# KiCad board APA102_Matrix.kicad_pcb (continued)
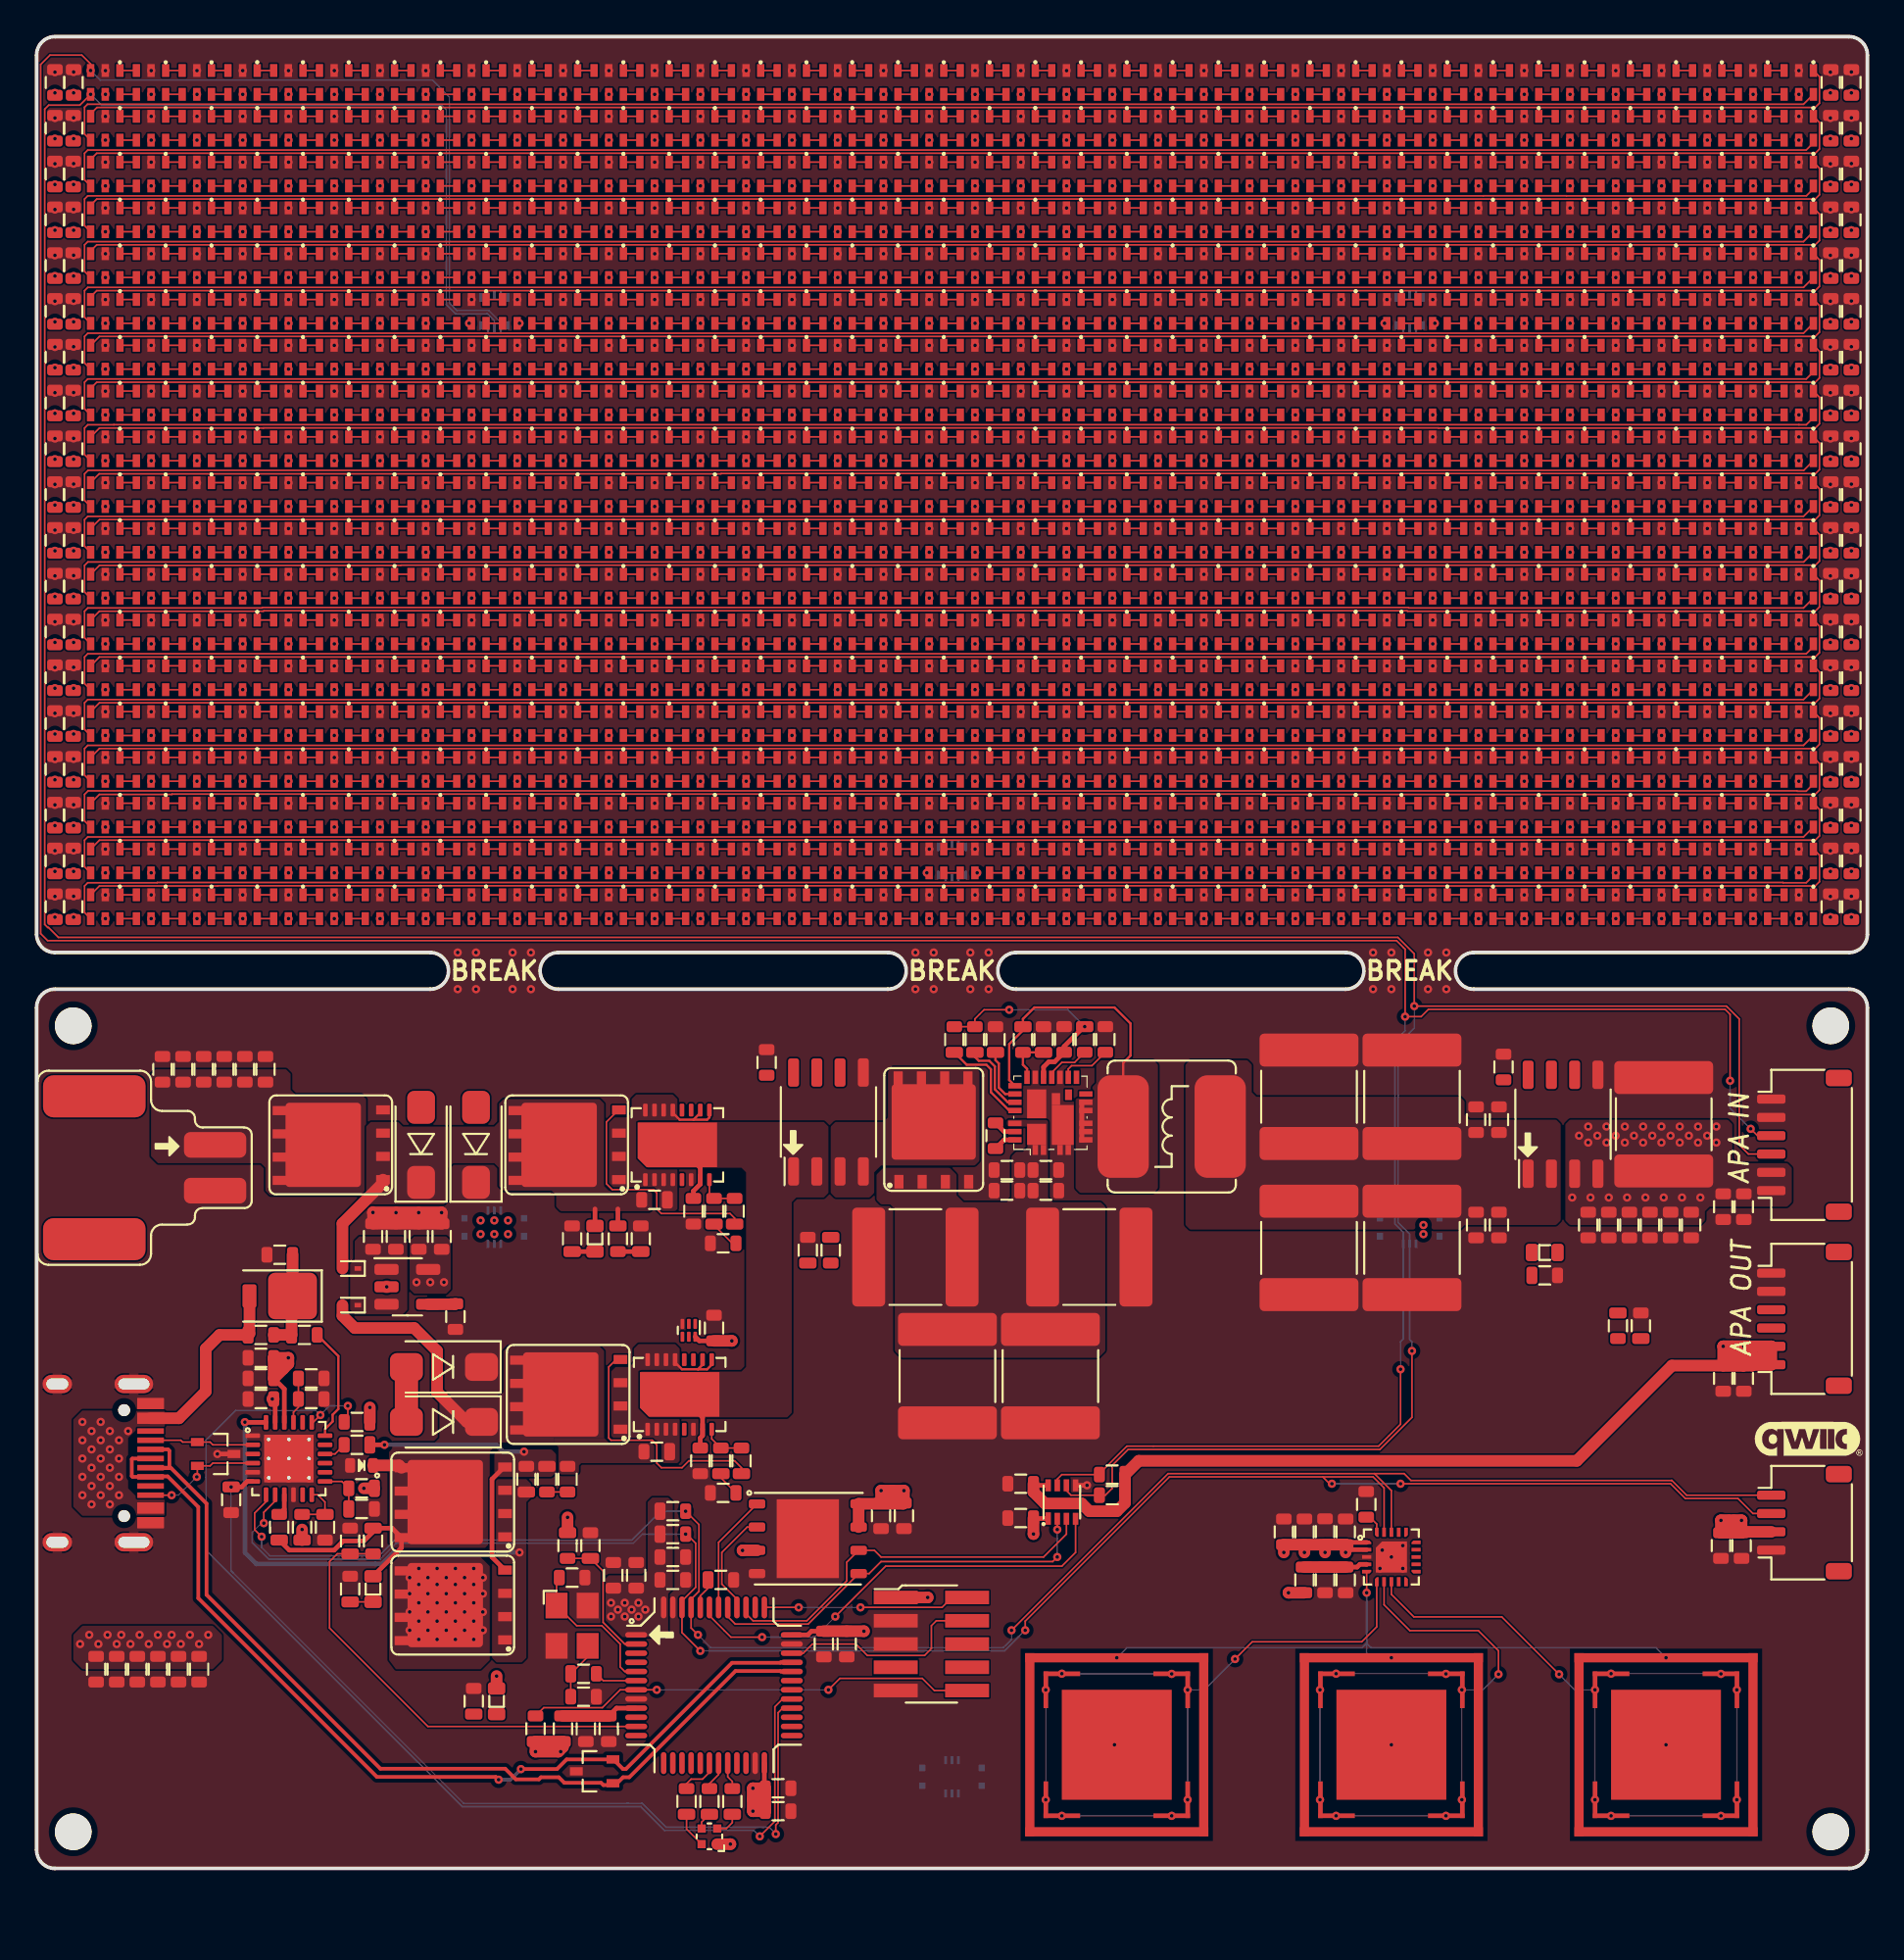
[diagram p0: board, top side]
## Routing (per net, layer and track width the routed paths; a pad name or vN(x,y) marks a point on that pad's centre or on a via; arc(x,y) is an arc through that point) (continued)
Net-(D691-Pad1): length 0.9
  F_PWR_SIGNAL.Cu w0.089: D691.1 D692.3
Net-(D691-Pad6): length 0.9
  F_PWR_SIGNAL.Cu w0.089: D691.6 D692.4
Net-(D692-Pad1): length 0.9
  F_PWR_SIGNAL.Cu w0.089: D692.1 D693.3
Net-(D692-Pad6): length 0.9
  F_PWR_SIGNAL.Cu w0.089: D692.6 D693.4
Net-(D693-Pad1): length 0.9
  F_PWR_SIGNAL.Cu w0.089: D693.1 D694.3
Net-(D693-Pad6): length 0.9
  F_PWR_SIGNAL.Cu w0.089: D693.6 D694.4
Net-(D694-Pad1): length 0.9
  F_PWR_SIGNAL.Cu w0.089: D694.1 D695.3
Net-(D694-Pad6): length 0.9
  F_PWR_SIGNAL.Cu w0.089: D694.6 D695.4
Net-(D695-Pad1): length 0.9
  F_PWR_SIGNAL.Cu w0.089: D695.1 D696.3
Net-(D695-Pad6): length 0.9
  F_PWR_SIGNAL.Cu w0.089: D695.6 D696.4
Net-(D696-Pad1): length 0.9
  F_PWR_SIGNAL.Cu w0.089: D696.1 D697.3
Net-(D696-Pad6): length 0.9
  F_PWR_SIGNAL.Cu w0.089: D696.6 D697.4
Net-(D697-Pad1): length 0.9
  F_PWR_SIGNAL.Cu w0.089: D697.1 D698.3
Net-(D697-Pad6): length 0.9
  F_PWR_SIGNAL.Cu w0.089: D697.6 D698.4
Net-(D698-Pad1): length 0.9
  F_PWR_SIGNAL.Cu w0.089: D698.1 D699.3
Net-(D698-Pad6): length 0.9
  F_PWR_SIGNAL.Cu w0.089: D698.6 D699.4
Net-(D699-Pad1): length 0.9
  F_PWR_SIGNAL.Cu w0.089: D699.1 D700.3
Net-(D699-Pad6): length 0.9
  F_PWR_SIGNAL.Cu w0.089: D699.6 D700.4
Net-(D700-Pad1): length 0.9
  F_PWR_SIGNAL.Cu w0.089: D700.1 D701.3
Net-(D700-Pad6): length 0.9
  F_PWR_SIGNAL.Cu w0.089: D700.6 D701.4
Net-(D701-Pad1): length 0.9
  F_PWR_SIGNAL.Cu w0.089: D701.1 D702.3
Net-(D701-Pad6): length 0.9
  F_PWR_SIGNAL.Cu w0.089: D701.6 D702.4
Net-(D702-Pad1): length 0.9
  F_PWR_SIGNAL.Cu w0.089: D702.1 D703.3
Net-(D702-Pad6): length 0.9
  F_PWR_SIGNAL.Cu w0.089: D702.6 D703.4
Net-(D703-Pad1): length 0.9
  F_PWR_SIGNAL.Cu w0.089: D703.1 D704.3
Net-(D703-Pad6): length 0.9
  F_PWR_SIGNAL.Cu w0.089: D703.6 D704.4
Net-(D704-Pad1): length 0.9
  F_PWR_SIGNAL.Cu w0.089: D704.1 D705.3
Net-(D704-Pad6): length 0.9
  F_PWR_SIGNAL.Cu w0.089: D704.6 D705.4
Net-(D705-Pad1): length 0.9
  F_PWR_SIGNAL.Cu w0.089: D705.1 D706.3
Net-(D705-Pad6): length 0.9
  F_PWR_SIGNAL.Cu w0.089: D705.6 D706.4
Net-(D706-Pad1): length 0.9
  F_PWR_SIGNAL.Cu w0.089: D706.1 D707.3
Net-(D706-Pad6): length 0.9
  F_PWR_SIGNAL.Cu w0.089: D706.6 D707.4
Net-(D707-Pad1): length 0.9
  F_PWR_SIGNAL.Cu w0.089: D707.1 D708.3
Net-(D707-Pad6): length 0.9
  F_PWR_SIGNAL.Cu w0.089: D707.6 D708.4
Net-(D708-Pad1): length 0.9
  F_PWR_SIGNAL.Cu w0.089: D708.1 D709.3
Net-(D708-Pad6): length 0.9
  F_PWR_SIGNAL.Cu w0.089: D708.6 D709.4
Net-(D709-Pad1): length 0.9
  F_PWR_SIGNAL.Cu w0.089: D709.1 D710.3
Net-(D709-Pad6): length 0.9
  F_PWR_SIGNAL.Cu w0.089: D709.6 D710.4
Net-(D710-Pad1): length 0.9
  F_PWR_SIGNAL.Cu w0.089: D710.1 D711.3
Net-(D710-Pad6): length 0.9
  F_PWR_SIGNAL.Cu w0.089: D710.6 D711.4
Net-(D711-Pad1): length 0.9
  F_PWR_SIGNAL.Cu w0.089: D711.1 D712.3
Net-(D711-Pad6): length 0.9
  F_PWR_SIGNAL.Cu w0.089: D711.6 D712.4
Net-(D712-Pad1): length 0.9
  F_PWR_SIGNAL.Cu w0.089: D712.1 D713.3
Net-(D712-Pad6): length 0.9
  F_PWR_SIGNAL.Cu w0.089: D712.6 D713.4
Net-(D713-Pad1): length 0.9
  F_PWR_SIGNAL.Cu w0.089: D713.1 D714.3
Net-(D713-Pad6): length 0.9
  F_PWR_SIGNAL.Cu w0.089: D713.6 D714.4
Net-(D714-Pad1): length 0.9
  F_PWR_SIGNAL.Cu w0.089: D714.1 D715.3
Net-(D714-Pad6): length 0.9
  F_PWR_SIGNAL.Cu w0.089: D714.6 D715.4
Net-(D715-Pad1): length 0.9
  F_PWR_SIGNAL.Cu w0.089: D715.1 D716.3
Net-(D715-Pad6): length 0.9
  F_PWR_SIGNAL.Cu w0.089: D715.6 D716.4
Net-(D716-Pad1): length 0.9
  F_PWR_SIGNAL.Cu w0.089: D716.1 D717.3
Net-(D716-Pad6): length 0.9
  F_PWR_SIGNAL.Cu w0.089: D716.6 D717.4
Net-(D717-Pad1): length 0.9
  F_PWR_SIGNAL.Cu w0.089: D717.1 D718.3
Net-(D717-Pad6): length 0.9
  F_PWR_SIGNAL.Cu w0.089: D717.6 D718.4
Net-(D718-Pad1): length 0.9
  F_PWR_SIGNAL.Cu w0.089: D718.1 D719.3
Net-(D718-Pad6): length 0.9
  F_PWR_SIGNAL.Cu w0.089: D718.6 D719.4
Net-(D719-Pad1): length 0.9
  F_PWR_SIGNAL.Cu w0.089: D719.1 D720.3
Net-(D719-Pad6): length 0.9
  F_PWR_SIGNAL.Cu w0.089: D719.6 D720.4
Net-(D720-Pad1): length 0.9
  F_PWR_SIGNAL.Cu w0.089: D720.1 D721.3
Net-(D720-Pad6): length 0.9
  F_PWR_SIGNAL.Cu w0.089: D720.6 D721.4
Net-(D721-Pad1): length 0.9
  F_PWR_SIGNAL.Cu w0.089: D721.1 D722.3
Net-(D721-Pad6): length 0.9
  F_PWR_SIGNAL.Cu w0.089: D721.6 D722.4
Net-(D723-Pad1): length 1.2
  F_PWR_SIGNAL.Cu w0.254: D723.1 R7.1
Net-(D728-Pad1): length 1.2
  F_PWR_SIGNAL.Cu w0.089: R15.1 D728.1
Net-(D729-Pad2): length 2
  F_PWR_SIGNAL.Cu w0.089: R16.1 35.5,2.15 D729.2
Net-(D729-Pad3): length 1
  F_PWR_SIGNAL.Cu w0.089: D729.3 36.33,2.53 R17.1
Net-(D729-Pad4): length 1.4
  F_PWR_SIGNAL.Cu w0.089: R18.1 38,2.5 37.67,2.17 D729.4
Net-(D734-Pad2): length 3
  F_PWR_SIGNAL.Cu w1.27: D734.2 D735.2
Net-(Q3-Pad4): length 14.8
  F_PWR_SIGNAL.Cu w0.254: v1(19,23.12) R37.1 ; Q4.4 25.53,21.91 24.88,21.25 24.88,17 Q3.4
  B_GND_SIGNAL.Cu w0.254: v1(19,23.12) 25.12,23.12 25.5,22.75 v1(26.62,22.75)
Net-(Q5-Pad1): length 3.3
  F_PWR_SIGNAL.Cu w0.127: 36.12,27.25 36.38,27.5 U11.10 ; 36.12,27.25 35.25,27.25 34.88,27.62 U11.13 ; 36.12,27.25 36.13,27.25 36.62,27.25 36.88,27.5 U11.9
Net-(Q5-Pad4): length 13.8
  F_PWR_SIGNAL.Cu w0.089: Q5.4 31.66,27.78 31.25,27.38 31.25,23.5 31.38,23.38 33.62,23.38 33.88,23.12 33.88,22.12 34.12,21.88 35.25,21.88 35.62,22.25 38.12,22.25 38.5,21.88 R45.1
Net-(Q6-Pad1): length 3.4
  F_PWR_SIGNAL.Cu w0.127: 35.88,40.88 35.12,40.88 34.75,41.25 U12.13 ; 35.88,40.88 36.62,40.88 36.75,41 U12.9 ; 35.88,40.88 36.25,41.25 U12.10
Net-(Q6-Pad4): length 12.9
  F_PWR_SIGNAL.Cu w0.089: R47.1 38.12,35.5 37.88,35.75 34.12,35.75 33.88,36 33.88,36.88 33.69,37.06 31.44,37.06 31.12,37.38 31.12,40.75 31.78,41.41 Q6.4
Net-(R16-Pad2): length 2.3
  F_PWR_SIGNAL.Cu w0.089: U7.18 36.75,5.25 36.38,4.88 35.75,4.88 35.5,4.62 R16.2
Net-(R17-Pad2): length 1.6
  F_PWR_SIGNAL.Cu w0.089: R17.2 36.75,4.62 37.25,5.13 U7.19
Net-(R18-Pad2): length 1.5
  F_PWR_SIGNAL.Cu w0.089: R18.2 38,4.75 37.75,5 U7.20
Net-(R24-Pad2): length 2.3
  F_PWR_SIGNAL.Cu w0.089: R24.2 30.95,10.25 U7.6
Net-(R28-Pad2): length 2.6
  F_PWR_SIGNAL.Cu w0.127: R29.1 R28.2 53.88,43.88 54.1,43.65 U8.17
Net-(R30-Pad1): length 4.2
  F_PWR_SIGNAL.Cu w0.127: U8.20 53.05,41.83 52.34,42.53 52.34,43.78 52.04,44.09 51.47,44.09 51.25,44.3 R30.1
Net-(R31-Pad1): length 5.4
  F_PWR_SIGNAL.Cu w0.127: R31.1 50.8,43.87 51.88,43.87 52.12,43.62 52.12,42.38 53.12,41.38 U8.21
Net-(R35-Pad2): length 6.3
  F_PWR_SIGNAL.Cu w0.127: U10.18 15.75,23.98 16.17,24.4 16.17,24.77 16.48,25.08 16.48,27.97 R35.2
Net-(R40-Pad2): length 2.8
  F_PWR_SIGNAL.Cu w0.089: R40.2 R41.1 15.75,20 15.35,20.4 U10.12
Net-(R42-Pad2): length 2.6
  F_PWR_SIGNAL.Cu w0.089: U10.13 16.68,21.12 R42.2 R43.1
Net-(R45-Pad2): length 2.4
  F_PWR_SIGNAL.Cu w0.089: U11.8 36.88,23.45 R46.2 R45.2
Net-(R47-Pad2): length 2.3
  F_PWR_SIGNAL.Cu w0.089: U12.8 36.75,36.83 R48.2 R47.2

## Copper pours and planes (outline as drawn; the poured copper is in the pictures)
+3V3 on F_PWR_SIGNAL.Cu: 22.62,34.25 22.62,31.62 22.38,31.38 20.62,31.38 20.38,31.62 20.38,34.25 20.62,34.5 22.38,34.5
+3V3 on F_PWR_SIGNAL.Cu: 34.75,20 34.75,15.25 34.5,15 34.5,12.88 34.25,12.62 32,12.62 31,13.62 31,15.75 31.25,16 33.12,16 33.38,16.25 33.38,20 33.62,20.25 34.5,20.25
+3V3 on In2_PWR.Cu: 100,0 0,0 0,35.5 100,35.5
+5V on F_PWR_SIGNAL.Cu: 92.62,40.62 92.62,38.75 92.88,38.5 95.62,38.5 95.88,38.25 95.88,36.38 95.62,36.12 91.38,36.12 91.12,35.88 91.12,35.38 90.88,35.12 83.75,35.12 83.5,35.38 83.5,40.62 83.75,40.88 92.38,40.88
+5V on B_GND_SIGNAL.Cu: 26.12,36.12 26.12,33.88 25.88,33.62 24.12,33.62 23.88,33.88 23.88,36.12 24.12,36.38 25.88,36.38
+5V on B_GND_SIGNAL.Cu: 45.62,51.25 45.62,53.12 46,53.5 49.12,53.5 49.5,53.88 49.5,56.12 49.25,56.38 46,56.38 45.62,56.75 45.62,61 46,61.38 54,61.38 54.38,61 54.38,56.75 54,56.38 50.75,56.38 50.5,56.12 50.5,53.88 50.88,53.5 54,53.5 54.38,53.12 54.38,51.25 54,50.88 46,50.88
+5V on B_GND_SIGNAL.Cu: 76.12,33.88 75.88,33.62 75.12,33.62 75.12,34.62 74.5,35.25 74.5,36.38 75.88,36.38 76.12,36.12
+5V on B_GND_SIGNAL.Cu: 20.62,80.25 20.62,83.12 21,83.5 24.12,83.5 24.5,83.88 24.5,86.12 24.25,86.38 23,86.38 22.62,86.75 22.62,91 23,91.38 29,91.38 29.38,91 29.38,86.75 29,86.38 25.75,86.38 25.5,86.12 25.5,83.88 25.88,83.5 29,83.5 29.38,83.12 29.38,80.25 29,79.88 21,79.88
+5V on B_GND_SIGNAL.Cu: 79.38,89.75 79.38,86.88 79,86.5 75.88,86.5 75.5,86.12 75.5,83.88 75.75,83.62 79,83.62 79.38,83.25 79.38,79 79,78.62 71,78.62 70.62,79 70.62,83.25 71,83.62 74.25,83.62 74.5,83.88 74.5,86.12 74.12,86.5 71,86.5 70.62,86.88 70.62,89.75 71,90.12 79,90.12
+5V on In2_PWR.Cu: 100,26.75 91.38,26.75 91.12,27 91.12,35.25 90.88,35.5 76.38,35.5 76.12,35.25 76.12,33.88 75.88,33.62 74.12,33.62 73.88,33.88 73.88,35.25 73.62,35.5 26.38,35.5 26.12,35.25 26.12,33.88 25.88,33.62 24.12,33.62 23.88,33.88 23.88,35.25 23.62,35.5 0,35.5 0,100 100,100
/POWER SUPPLY/5V_OUT on F_PWR_SIGNAL.Cu: 66.38,43.88 66.38,42.38 66.62,42.12 77.75,42.12 78,41.88 78,41.12 78.25,40.88 83,40.88 83.25,40.62 83.25,35.38 83,35.12 78,35.12 77.75,34.88 63,34.88 62.75,35.12 62.75,43.88 63,44.12 66.12,44.12
/USB C PD/+2V7 on In2_PWR.Cu: 13.75,25.25 14,25 16.5,25 16.75,24.75 16.75,21.75 17,21.5 18.5,21.5 18.75,21.25 18.75,19.75 18.25,19.25 17,19.25 16.75,19 16.75,17.25 16.5,17 14.12,17 13.88,17.25 13.88,19.5 13.62,19.75 12.5,19.75 12.25,20 12.25,26.25 12.5,26.5 13.5,26.5 13.75,26.25
GND on F_PWR_SIGNAL.Cu, B_GND_SIGNAL.Cu, In1_GND.Cu: 100,0 0,0 0,100 100,100
/EXTERNAL_12V on F_PWR_SIGNAL.Cu: 31,41.75 31,37.25 30.75,37 25.5,37 25.25,37.25 25.25,38.25 25,38.5 22.75,38.5 22.5,38.25 22.5,36.5 22.25,36.25 18.25,36.25 18,36.5 18,40.5 18.25,40.75 19.75,40.75 20,40.5 25,40.5 25.25,40.75 25.25,41.75 25.5,42 30.75,42
/EXTERNAL_12V on F_PWR_SIGNAL.Cu: 31.25,37 33.5,37 33.62,36.88 33.62,36 33.5,35.88 28.62,35.88 28.38,36.12 28.38,36.75 28.12,37 28.12,37.25 31,37.25
/PD_15V on F_PWR_SIGNAL.Cu: 31,28.25 31,23.5 30.75,23.25 25.25,23.25 24.75,22.75 24.75,17.75 24.5,17.5 19.5,17.5 19.25,17.75 19.25,23 19.5,23.25 21.75,23.25 22,23.5 22,25.5 22.25,25.75 25.25,25.75 25.5,26 25.5,28.25 25.75,28.5 30.75,28.5
/PD_15V on F_PWR_SIGNAL.Cu: 31.25,23.25 33.62,23.25 33.75,23.12 33.75,22.25 33.62,22.12 29.75,22.12 29.62,22 29.62,21.62 29.5,21.5 28.62,21.5 28.5,21.62 28.5,23 28.25,23.25 28.25,23.5 31,23.5
/POWER SUPPLY/Vout on F_PWR_SIGNAL.Cu: 61.25,43.88 61.25,37.12 61,36.88 57,36.88 56.75,37.12 56.75,42.62 57.62,42.62 57.88,42.88 57.88,43.88 58.12,44.12 61,44.12
/USB C PD/PD_VBUS on F_PWR_SIGNAL.Cu: 19.25,11.38 19.25,16.5 19.75,17 24.25,17 24.75,16.5 24.75,11.38 24.25,10.88 19.62,10.88
/USB C PD/PD_VBUS on F_PWR_SIGNAL.Cu: 10.12,12.75 10.12,11.38 9.62,10.88 2.5,10.88 2,11.38 2,12.75 2.5,13.25 9.62,13.25
/USB C PD/PD_VBUS on F_PWR_SIGNAL.Cu: 7,24 5.5,24 5,23.5 5,20.75 5.5,20.25 7,20.25 7,19.25 2.5,19.25 2,19.75 2,24.5 2.5,25 7,25
/USB C PD/PD_VBUS on In2_PWR.Cu: 7,24 5.5,24 5,23.5 5,20.75 5.5,20.25 7.12,20.25 7.62,19.75 7.62,14.5 8.12,14 18.75,14 19.25,14.5 19.25,16.5 19.75,17 24.25,17 24.75,16.5 24.75,11.38 24.25,10.88 2.5,10.88 2,11.38 2,24.5 2.5,25 7,25
/USB C PD/PD_VDD on F_PWR_SIGNAL.Cu: 27,21 27,20.25 26.75,20 26.75,11.5 26.5,11.25 25.12,11.25 24.88,11.5 24.88,21 25.12,21.25 26.75,21.25
/VOUT_POST on F_PWR_SIGNAL.Cu: 51.5,43.5 51.5,38.62 51.25,38.38 46.12,38.38 45.75,38 45.75,36.88 45.5,36.62 43.62,36.62 43.38,36.88 43.38,40.5 43.62,40.75 46.25,40.75 46.5,41 46.5,43.5 46.75,43.75 51.25,43.75
/VOUT_PRE on F_PWR_SIGNAL.Cu: 43.25,40.5 43.25,36.88 43,36.62 41.5,36.62 41.25,36.38 41.25,24.88 41,24.62 33.5,24.62 33,25.12 33,27.12 38.5,27.12 38.75,27.38 38.75,38 38.5,38.25 33.38,38.25 32.88,38.75 32.88,40.75 43,40.75
Net-(C79-Pad1) on F_PWR_SIGNAL.Cu: 20.25,30.5 20,30.25 17.38,30.25 17.12,30.5 17.12,33 17.38,33.25 17.38,34.25 17.62,34.5 20,34.5 20.25,34.25
Net-(C105-Pad1) on F_PWR_SIGNAL.Cu: 55.25,36.62 55.5,36.38 58.12,36.38 58.38,36.12 58.38,28.25 58,27.88 47.25,27.88 46.88,28.25 46.88,36 46.62,36.25 46.12,36.25 45.88,36.5 45.88,37.88 46.25,38.25 49.88,38.25 50.25,37.88 50.25,36.75 50.62,36.38 53,36.38 53.25,36.62 53.25,38.88 53.5,39.12 53.88,39.12 54.12,39.38 54.12,40.5 53,40.5 53,40.88 55.25,40.88
Net-(CN1-Pad1) on F_PWR_SIGNAL.Cu: 18,37 17.75,36.75 12.75,36.75 12.5,37 12.5,38.25 12.25,38.5 6.62,38.5 6.25,38.88 6.25,43.38 6.5,43.62 13.62,43.62 13.88,43.38 13.88,42.5 14.12,42.25 17.75,42.25 18,42
Net-(Q3-Pad4) on F_PWR_SIGNAL.Cu: 28.38,22.62 28.38,21.62 28.12,21.38 25.25,21.38 25,21.62 25,22.62 25.25,22.88 28.12,22.88
Net-(Q5-Pad1) on F_PWR_SIGNAL.Cu: 35.12,28.38 35.12,22.25 35,22.12 34.25,22.12 34.12,22.25 34.12,23.12 33.88,23.38 31.62,23.38 31.38,23.62 31.38,27.12 31.62,27.38 32.38,27.38 32.62,27.62 32.62,28.38 32.88,28.62 34.88,28.62
Net-(Q6-Pad1) on F_PWR_SIGNAL.Cu: 35,42 35,36 34.88,35.88 34.12,35.88 34,36 34,36.88 33.75,37.12 31.5,37.12 31.25,37.38 31.25,40.75 31.5,41 32.25,41 32.5,41.25 32.5,42 32.75,42.25 34.75,42.25

## Text on the board
F.Silkscreen: BREAK | APA IN | APA OUT
